# Allegro board RK_NVR_DEMO1_RK3588_LP4XD200P232SD8_V21_20211228_final_lint.brd (continued)
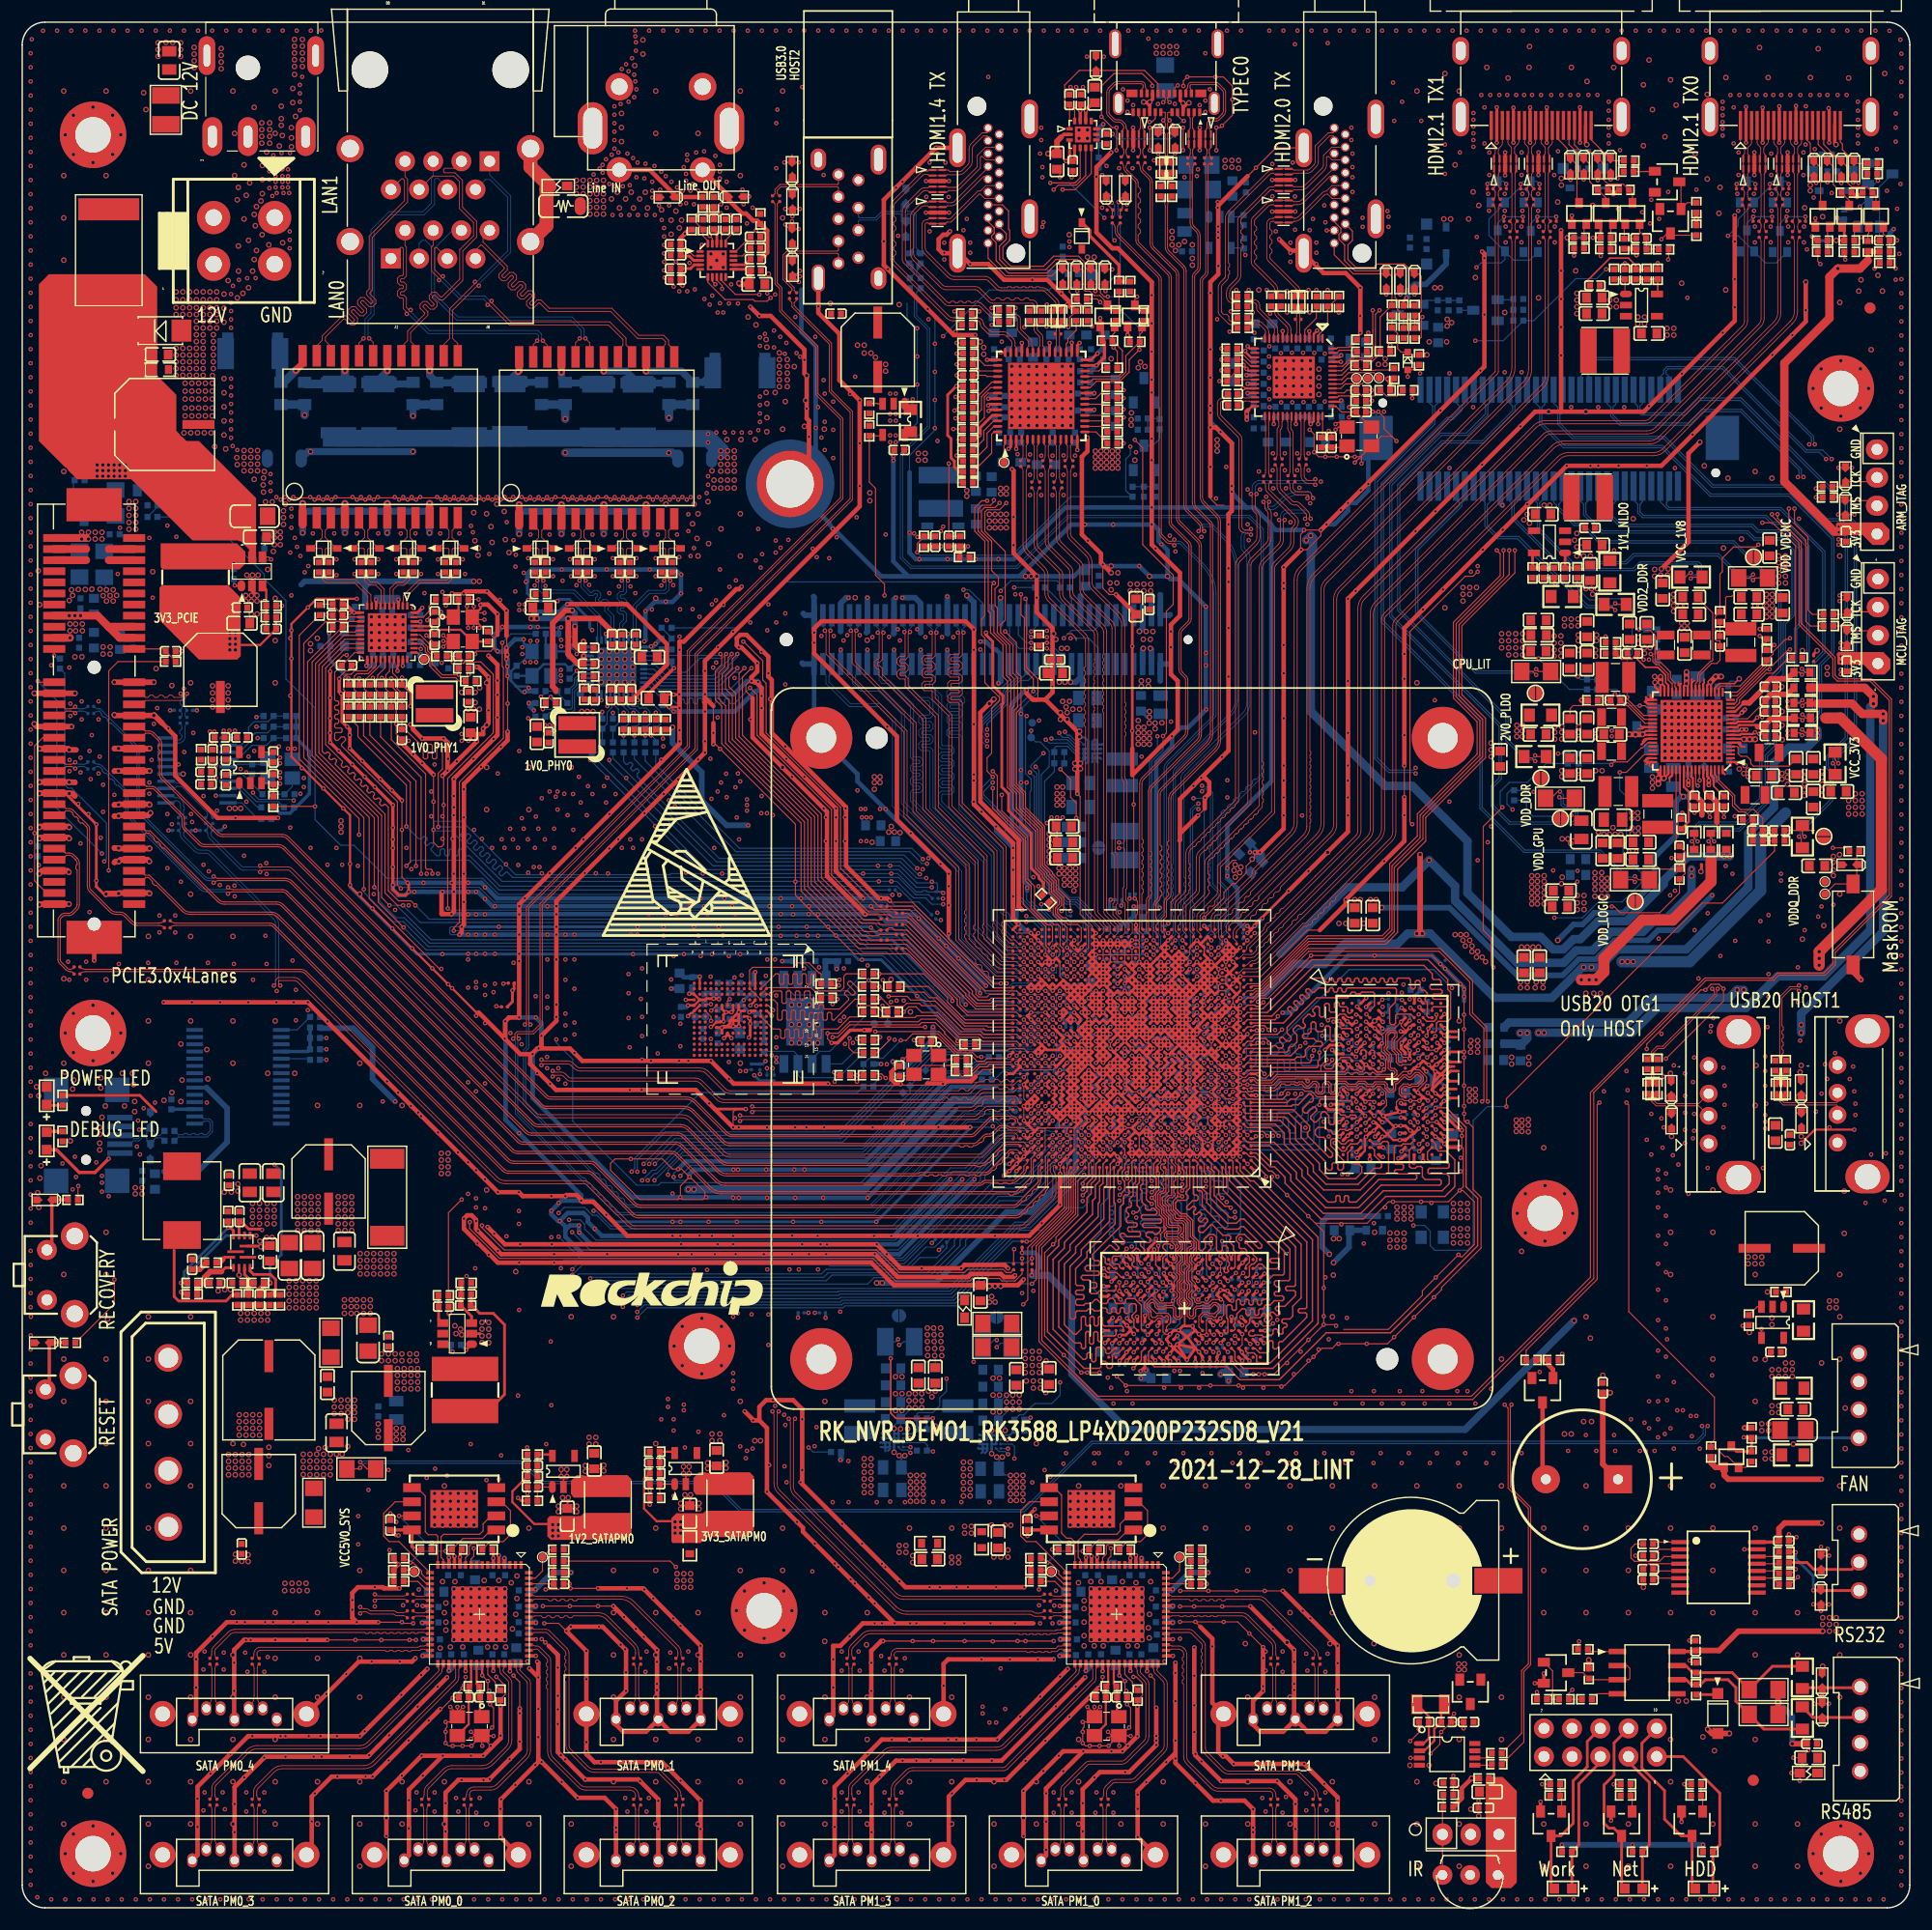
[diagram p0: board, top side]
## Routing (per net, layer and track width the routed paths; a pad name or vN(x,y) marks a point on that pad's centre or on a via; arc(x,y) is an arc through that point) (continued)
  BOTTOM w0.254: 105.48,81.96 105.79,81.96 v1(105.85,82.01) ; 105.48,80.71 105.85,80.71 v1(105.85,80.71) 106.09,80.46 106.24,80.46 ; v1(105.85,81.36) 105.83,81.34 105.48,81.34 ; C1709.1 106,79.9 v1(105.85,80.06)
  BOTTOM w0.762: v2(160.3,78.88) v2(160.3,79.6) 160.3,80.61 167.67,87.99 v2(167.67,107.02) v2(167.67,107.63)
VDDA0V75_IMAGE_P: length 39.9
  TOP w0.102: v1(160.4,108.86) 160.16,108.62 R2142.1
  TOP w0.152: 156.97,107.94 v1(156.32,107.29) 156.2,107.17
  TOP w0.203: 156.2,107.17 155.96,106.93 154.59,106.93 154.44,106.78 U2100.11
  BOTTOM w0.102: v1(160.4,108.86) 160.3,108.75 159.99,108.75 159.89,108.86 159.89,115.26 160.4,115.77 160.4,122.47 158.67,124.2 156.44,124.2 155.93,124.71 144.04,124.71 143.33,125.42 143.33,126.53 143.59,126.79 J9800.16
  vias: v1(156.77,107.32) v1(159.05,108.75) v1(159.05,108.25)
VDDA_0V75: length 414.5
  TOP w0.102: v1(160.37,106.21) 160.68,105.91 R2144.2
  TOP w0.254: U1000.H24 95.77,71.29 v1(96.1,70.96) U1000.G24 95.77,70.64 v1(95.45,70.31) ; U1000.AH10 v1(105.2,84.61) ; U1000.AA25 95.14,79.76 95.32,79.93 95.32,80.19 U1000.AB25 v1(94.8,80.71) ; U1000.AD3 109.42,81.69 v1(109.75,82.01) ; v1(98.7,83.31) U1000.AG19
  TOP w0.508: v2(125.65,87.83) v2(126.16,87.83) 125.96,88.03 v2(125.96,94.94)
  L3-POWER1 w0.508: v2(76.99,56.33) v2(77.49,56.33)
  L4-S1 w0.406: 77.95,84.73 78.31,84.37 87.86,84.37 88.69,83.53 v1(88.69,83.33)
  L4-S1 w0.508: 77.95,84.73 76.93,84.73 76.38,84.17 75.97,84.17 75.61,83.81 75.61,82.39 76.43,81.58 76.43,80.46 77.8,79.09 79.22,79.09 79.78,78.53 79.78,77.61 80.24,77.16 80.24,72.89 75.46,68.11 75.46,57.85 v2(76.99,56.33)
  L4-S1 w0.762: v2(76.99,56.33) v2(77.49,56.33) 77.49,44.75 78.2,44.04 80.64,44.04 81.25,43.43 v2(82.27,43.43) v2(82.27,42.92) ; v2(140.69,43.83) v2(141.4,43.83) 141.4,48.81 143.23,50.64 143.23,83.46 141.91,84.78 v2(141.4,84.78) v2(140.69,84.78)
  L6-S2 w0.089: 94.01,83.11 93.82,82.92 93.82,81.23 94.34,80.71 v1(94.8,80.71) 94.47,81.04 94.47,82.8 94.16,83.11 ; 105.52,84.94 v1(105.2,84.61) 105.52,84.29 105.98,84.29 106.35,84.65 106.35,84.83 106.24,84.94 105.52,84.94
  L6-S2 w0.254: 106.74,85.22 106.35,84.83 ; 94.16,83.11 93.71,83.11 93.27,83.55 88.95,83.55 88.72,83.33 v1(88.69,83.33) ; v1(98.7,83.31) 98.67,83.31 98.29,83.69 98.29,85.03 98.84,85.58 98.84,86.15 99.12,86.43
  L6-S2 w0.305: 99.12,86.43 99.12,89.52 v1(98.88,89.76) 98.52,90.11 98.52,90.57 98.83,90.87
  L6-S2 w0.406: 110.01,85.79 113.66,89.45 123.31,89.45 124.94,87.83 v2(125.65,87.83) v2(126.16,87.83)
  L6-S2 w0.508: v2(125.96,94.94) 125.75,94.94 124.13,96.56 103.21,96.56 98.83,92.18 98.83,90.87
  L6-S2 w0.762: v2(82.27,43.43) v2(82.27,42.92) 83.28,42.92 84.13,43.77 89.85,43.77 90.4,43.22 91.41,43.22 91.72,42.92 134.44,42.92 135.35,43.83 v2(140.69,43.83) v2(141.4,43.83)
  BOTTOM w0.089: 95.58,69.34 95.58,69.34 95.77,69.53 ; 95.58,69.34 95.77,69.15 ; 95.58,69.34 95.08,69.34 ; 95.77,69.53 95.77,69.8 95.45,70.12 v1(95.45,70.31) ; 95.77,69.53 95.77,69.15 ; 95.77,69.15 95.77,68.88 95.58,68.69 95,68.69 94.91,68.6
  BOTTOM w0.102: v1(160.37,106.21) 160.58,106.01 160.81,106.01 161.01,106.21 161.01,106.72 161.92,107.64 161.92,112.11 163.04,113.23 163.04,123.4 159.2,127.25 152.07,127.25 147.7,131.61 138.86,131.61 136.73,133.75 136.73,135.27 136.39,135.61 J9800.33
  BOTTOM w0.203: 128.57,85.77 128.75,85.95
  BOTTOM w0.254: 95.02,69.39 95.08,69.34 ; v1(98.7,83.31) 98.48,83.53 C1606.1 ; v1(98.88,89.76) 98.88,89.76 C1607.1 ; v1(109.75,82.01) 109.77,82.03 C1504.1 110.18,82.06 110.82,82.06 ; v1(105.2,84.61) 105.06,84.47 C1412.1 ; 95.08,80.43 95.08,80.43 v1(94.8,80.71) 94.74,80.66 C1600.1
  BOTTOM w0.305: 95.02,69.28 95.02,69.39 94.99,69.42 C1813.1 95.41,70.27 v1(95.45,70.31) 95.45,70.59 95.82,70.96 v1(96.1,70.96) ; 95.02,69.28 94.97,69.23 94.97,68.84 94.91,68.78 C1805.1 ; 95.02,69.28 95.08,69.34 ; 111.83,82.34 111.33,82.34 111.04,82.06 110.82,82.06
  BOTTOM w0.508: C1805.1 94.91,66.76 90.88,62.73 88.7,62.73 82.29,56.33 v2(77.49,56.33) v2(76.99,56.33)
  BOTTOM w0.762: v2(161.75,106.16) v2(161.75,105.66) 161.75,105.53 160.81,104.59 159.18,104.59 157.83,103.24 157.83,99.18 155.52,96.87 155.52,91.99 149.93,86.4 143.74,86.4 142.11,84.78 v2(141.4,84.78) v2(140.69,84.78) 140.57,84.78 137.82,82.03 132.66,82.03 126.87,87.83 v2(126.16,87.83) v2(125.65,87.83) 124.84,87.83 123.92,86.91 119.17,86.91 117.35,85.08 114.58,85.08 111.83,82.34
VDDA_0V75_P: length 56.5
  TOP w0.102: R2144.1 160.17,105.91 v1(160.37,105.71)
  TOP w0.152: C2172.1 156.86,105.83 v1(156.51,105.83) 156.49,105.81
  TOP w0.203: 155.95,105.83 155.93,105.81 154.86,105.81 154.79,105.73 U2100.8
  BOTTOM w0.102: v1(160.37,105.71) 160.81,105.71 161.21,106.11 161.21,106.62 162.13,107.54 162.13,112.01 163.24,113.12 163.24,123.49 159.28,127.45 152.15,127.45 147.78,131.82 138.96,131.82 136.93,133.85 136.93,135.27 137.19,135.53 J9800.31
  vias: v1(156.13,105.96) v1(159.05,106.09) v1(159.05,105.69)
VDDA_0V75_PMU: length 130
  TOP w0.102: v1(160.36,111.68) 160.66,111.37 R2139.2
  TOP w0.254: U1000.V20 v1(98.7,78.11) ; U1000.P27 v1(93.5,74.86)
  L6-S2 w0.089: v1(98.7,78.11) 98.51,78.11 98.18,77.79 97.78,77.79 97.08,77.08 96.18,77.08 94.93,75.84 94.66,75.84 93.69,74.86 v1(93.5,74.86) 93.82,74.54 94.28,74.54 94.47,74.73 94.47,75 94.66,75.19 94.93,75.19 95.12,75.38 95.12,75.65 96.05,76.57 97.62,76.57 98.37,77.33 98.37,77.79 v1(98.7,78.11) ; v1(98.7,78.11) 98.7,78.32
  L6-S2 w0.762: 96.59,89.04 96.59,91.28 102.69,97.38 124.53,97.38 125.14,96.77 125.75,96.77 129.61,92.91 131.95,92.91 135.61,89.25 136.52,89.25 137.64,88.13 139.06,88.13 139.77,87.42 141.58,87.42 143.71,85.29 v2(144.14,85.29)
  L6-S2 w1.016: v2(145.16,85.29) v2(144.65,85.29) v2(144.14,85.29)
  BOTTOM w0.102: v1(160.36,111.68) 160.43,111.6 160.7,111.6 160.81,111.7 160.81,122.67 158.77,124.71 157.67,124.71 157.06,125.32 145.99,125.32 145.57,125.74 145.57,126.53 145.19,126.91 J9800.12
  BOTTOM w0.254: C1110.1 93.04,75.63 93.04,75.44 C1111.1 92.99,75.37 v1(93.5,74.86) ; C1106.1 98.93,78.34 v1(98.7,78.11)
  BOTTOM w1.016: 158.87,98.7 156.64,96.46 156.64,91.69 150.24,85.29 v2(145.16,85.29) v2(144.65,85.29) v2(144.14,85.29)
  vias: v2(162.63,111.8) v2(162.63,111.19)
VDDA_0V75_PMU_P: length 39.1
  TOP w0.102: v1(160.36,111.17) 160.16,111.37 R2139.1
  TOP w0.203: U2100.14 154.36,107.83 155.14,108.62
  TOP w0.508: R2139.1 159.05,110.79 157.53,110.79 157.07,110.32 C2164.1 155.61,108.62 155.14,108.62
  BOTTOM w0.102: J9800.10 145.99,126.76 145.77,126.53 145.77,125.82 146.07,125.52 157.15,125.52 157.76,124.91 158.87,124.91 161.01,122.78 161.01,111.6 160.81,111.4 160.59,111.4 v1(160.36,111.17)
VDDA_0V85: length 326.2
  TOP w0.102: v1(160.4,107.56) 160.7,107.26 R2143.2
  TOP w0.254: U1000.AJ13 v1(102.6,85.26) U1000.AJ14 102.27,84.94 v1(102.6,84.61) ; U1000.AJ13 v1(103.25,85.26) ; U1000.AJ13 v1(102.6,84.61) ; U1000.AJ13 102.92,84.94 v1(103.25,84.61) U1000.AH13 v1(102.6,84.61) ; v1(102.6,84.61) U1000.AH14 ; v1(92.85,74.21) U1000.M28 93.17,73.89 v1(92.85,73.56) U1000.L28 92.85,72.91 U1000.K28 v1(92.85,72.26)
  TOP w1.016: 162.51,107.26 163.83,107.26 167.51,103.57 167.51,91.79 v2(161.91,86.19) v2(161.91,85.58) v2(161.91,84.97)
  L4-S1 w0.762: v2(142.21,82.44) v2(141.6,82.44) v2(140.89,82.44) 140.89,80.71 141.4,80.21 141.4,71.98 142.21,71.16 142.21,50.94 140.38,49.12 140.38,45.05 139.57,44.24 v2(139.57,42.71) v2(138.96,42.71) ; v2(66.52,42.11) v2(66.01,42.11) 66.01,42.92 66.55,43.45 66.55,53.69 60.02,60.22 v2(60.02,64.76) v2(60.53,64.76)
  L6-S2 w0.254: 102.67,85.26 103.5,86.1 ; 102.67,85.26 v1(102.6,85.26) v1(102.6,84.61) v1(103.25,84.61) ; 102.67,85.26 v1(103.25,85.26)
  L6-S2 w0.508: 111.73,91.38 107.26,91.38 104.72,88.84
  L6-S2 w0.762: v2(139.57,42.71) v2(138.96,42.71) 135.81,42.71 134.8,41.7 93.14,41.7 91.21,39.77 88.8,39.77 88.59,39.57 87.2,39.57 85.8,40.96 82.95,40.96 81.74,39.74 78.33,39.74 76.88,41.19 73.33,41.19 72.72,40.58 69.06,40.58 67.54,42.11 v2(66.52,42.11) v2(66.01,42.11)
  L6-S2 w1.016: v2(161.91,86.19) v2(161.91,85.58) v2(161.91,84.97) 161.72,84.78 161.72,81.83 160.7,80.81 156.94,80.81 156.44,81.32 143.63,81.32 142.52,82.44 v2(142.21,82.44) v2(141.6,82.44) v2(140.89,82.44) 140.28,82.44 139.47,81.63 134.9,81.63 133.88,82.64 133.88,84.78 133.07,85.59 133.07,86 130.33,88.74 125.45,88.74 122.4,91.79 115.49,91.79 114.68,92.6 112.95,92.6 111.73,91.38
  BOTTOM w0.102: v1(160.4,107.56) 160.53,107.43 160.75,107.43 161.31,108 161.31,112.31 162.23,113.23 162.23,122.18 158.38,126.03 148.31,126.03 147.6,126.74 147.6,128.15 J9800.6
  BOTTOM w0.254: v1(92.85,72.26) 92.85,72.19 92.58,71.92 ; v1(103.25,84.61) 103.26,84.61 103.63,84.98 103.35,85.26 v1(103.25,85.26) 103.59,85.6 103.63,85.6 ; 102.22,85.5 102.36,85.5 v1(102.6,85.26) 102.24,84.9 102.22,84.9 102.52,84.61 v1(102.6,84.61)
  BOTTOM w0.508: 89.89,72.8 89.83,72.74
  BOTTOM w0.762: C1801.1 89.43,72.8 83.91,72.8 75.87,64.76 v2(60.53,64.76) v2(60.02,64.76)
VDDA_0V85_P: length 41.1
  TOP w0.102: v1(160.4,107.05) 160.2,107.26 R2143.1
  TOP w0.152: 156.36,106.47 156.23,106.6
  TOP w0.203: U2100.10 154.52,106.43 154.71,106.62 156.2,106.62 156.23,106.6
  TOP w0.508: 156.36,106.47 156.99,106.47 C2170.1 157.07,106.7 157.57,107.21 159.62,107.21
  BOTTOM w0.102: v1(160.4,107.05) 160.58,107.23 160.86,107.23 161.52,107.89 161.52,112.21 162.43,113.12 162.43,122.27 158.47,126.23 148.39,126.23 148.16,126.47 148.16,126.69 148.39,126.92 J9800.4
VDDA_DDR_PLL: length 103.7
  TOP w0.254: v1(103.9,74.21) 103.9,74.21 U1000.N12 ; U1000.L15 v1(101.3,72.91)
  TOP w0.762: R2141.2 166.02,109.97 v2(166.8,109.2) v2(166.8,108.53)
  L6-S2 w0.089: 102.18,73.09 102.33,73.24 102.73,73.24 102.79,73.3 102.99,73.3 ; 109.5,81.73 109.57,81.73 109.61,81.69 109.88,81.69 109.92,81.73 110.01,81.73 110.11,81.83 ; 106.96,79.6 106.86,79.7 106.86,79.89 106.82,79.93 106.82,80.2 106.86,80.23 106.86,80.31 106.96,80.41 ; 105.53,73.91 105.53,74.07 105.52,74.08 105.52,74.35 105.53,74.36 105.53,75.84 105.74,76.04 ; 108.07,78.27 108.07,78.58 108.12,78.63 108.12,78.9 108.07,78.94 108.07,79.23 108.12,79.28 108.12,79.55 108.07,79.59 108.07,79.6 107.97,79.7
  L6-S2 w0.254: 101.57,72.79 101.45,72.91 v1(101.3,72.91)
  L6-S2 w0.508: 110.21,82.75 111.02,82.75 114.78,86.5 122.4,86.5 123.21,85.69 127.96,85.69 130.61,83.04 130.61,80.95 133.49,78.07 136.01,78.07 136.62,78.68 v2(136.62,78.88) v2(137.13,78.88)
  BOTTOM w0.254: C1215.1 101.04,73.17 v1(101.3,72.91) ; C1218.1 103.67,74.43 v1(103.9,74.21)
  BOTTOM w0.762: v2(136.62,78.88) v2(137.13,78.88) 145.06,78.88 147.29,81.12 155.32,81.12 158.16,83.96 162.33,83.96 166.52,88.15 166.52,108.25 v2(166.8,108.53) v2(166.8,109.2)
VDDA_DDR_PLL_P: length 7
  TOP w0.102: C2168.1 157.02,108.75 155.45,107.18 154.41,107.18 154.36,107.13 U2100.12
  TOP w0.508: C2168.1 157.07,108.93 157.46,109.32 157.48,109.32 157.54,109.39 159.05,109.39 R2141.1
VDDQ_DDR: length 189.7
  TOP w0.102: v1(160.09,96.56) 160.3,96.36 160.3,95.66 R2121.1 ; R2123.2 C2131.2 C2137.1 ; R2123.2 R2125.1 C2137.1 ; R2123.2 157.89,95.27 153.19,90.57 151.36,90.57 133.73,72.94 v1(133.73,72.23) ; U2100.67 152.87,101.67 153.51,101.03 153.53,101.03 154.3,100.26 154.3,99.52 154.82,99 156.03,99 156.84,98.2 C2137.1
  TOP w0.254: v1(105.2,73.56) 104.87,73.89 U1000.M10 v1(105.2,74.21) U1000.N10 104.87,74.54 v1(105.2,74.86) U1000.P10 104.87,75.19 v1(105.2,75.51) U1000.R10 104.87,75.84 v1(105.2,76.16) U1000.T10 ; U1000.K14 101.95,72.26 U1000.K15 101.95,72.91 U1000.K14 ; U1000.K14 102.27,72.59 v1(102.6,72.26) U1000.K13 102.92,72.59 v1(103.25,72.26) U1000.K12 103.57,72.59 v1(103.9,72.26) U1000.K11 104.22,72.59 v1(104.55,72.26)
  L3-POWER1 w0.089: 108.89,75.84 111.54,75.84
  L3-POWER1 w0.102: v1(125.35,61.51) 125.65,61.82 125.65,63.64 125.19,64.1 122.25,64.1 116.51,69.84 116.51,74.62 115.29,75.84 111.54,75.84
  BOTTOM w0.089: v1(102.6,72.26) 102.6,72.07 102.02,71.49 101.65,71.49 101.44,71.29 101.16,71.29 100.97,71.1 100.97,70.83 100.78,70.64 100.51,70.64 100.3,70.42 R1203.2
  BOTTOM w0.102: v1(160.09,96.56) 160.2,96.66 160.2,97.17 162.94,99.92 162.94,102.35 162.53,102.76 162.53,103.78 164.26,105.5 164.26,124.5 163.75,125.01 162.53,125.01 159.48,128.06 152.27,128.06 147.9,132.43 139.67,132.43 138.35,133.75 138.35,135.27 137.99,135.63 J9800.29 ; v1(125.35,61.51) 126.36,61.51 126.87,61 126.87,59.68 127.28,59.28 130.22,59.28 130.73,59.78 130.73,70.96 132,72.23 v1(133.73,72.23)
  BOTTOM w0.203: 106.19,71.24 106.22,71.21 106.8,71.21 106.83,71.23 106.83,71.23 107.46,71.23 107.47,71.23
  BOTTOM w0.254: 105.2,74.9 105.56,75.26 105.45,75.26 v1(105.2,75.51) ; 105.2,74.9 v1(105.2,75.51) ; 105.2,74.9 v1(105.2,74.86) v1(105.2,74.21) 105.2,73.94 ; 105.2,73.94 v1(105.2,73.56) 105.29,73.47 C1207.1 ; 105.2,73.94 C1207.1 ; C1207.1 105.56,73.37 105.56,72.53 105.55,72.52 105.55,71.93 ; v1(102.6,72.26) 102.65,72.26 103.02,71.89 103.02,72.03 v1(103.25,72.26) 103.62,71.89 103.63,71.89 103.63,71.99 v1(103.9,72.26) 104.24,71.92 ; v1(105.2,75.51) 105.55,75.86 ; 105.55,75.86 105.56,75.86 105.56,75.92 105.89,76.24 ; 105.55,75.86 105.49,75.86 v1(105.2,76.16) 105.28,76.24 105.89,76.24 ; 106.19,71.24 105.61,71.24 105.59,71.26 105.59,71.89 105.55,71.93 ; 104.24,71.92 104.24,71.95 v1(104.55,72.26) 104.87,71.94 104.87,71.89 105.51,71.89 105.55,71.93 ; 104.24,71.92 104.24,71.89 ; 107.13,77.61 107.13,77.29 C1200.1 106.55,76.7 106.35,76.7 105.89,76.24
  vias: v2(123.24,60.83) v2(123.24,60.19) v2(123.24,59.56) v2(123.87,60.83) v2(123.87,60.19) v2(123.87,59.56) v2(124.51,60.83) v2(124.51,60.19) v2(124.51,59.56) v2(134.62,71.01) v2(134.62,70.5) v2(134.62,69.99) v2(135.13,71.01) v2(135.13,70.5) v2(135.13,69.99) v2(135.71,71.06) v2(135.71,70.55) v2(135.71,69.94)
VDDQ_DDR_CK: length 30.3
  TOP w0.254: U1000.L10 v1(104.55,72.91) ; v1(102.6,73.56) U1000.M13
  L3-POWER1 w0.508: v2(118.16,58.16) 115.11,58.16 112.32,60.95 105.64,60.95 104.57,62.02 101.88,62.02 100.15,63.75 100.15,66.69
  BOTTOM w0.254: C1206.1 104.85,72.61 v1(104.55,72.91) ; C1213.1 102.35,73.81 v1(102.6,73.56)
  BOTTOM w0.508: R1204.1 C1232.1 119.56,61.01 119.56,59.56 v2(118.16,58.16)
VDDQ_DDR_P: length 67.7
  TOP w0.102: v1(160.6,96.56) 160.4,96.77 R2121.2 ; 161.49,97.12 C2131.1 R2123.1
  BOTTOM w0.102: v1(160.6,96.56) 160.4,96.77 160.4,97.07 163.14,99.81 163.14,102.46 162.74,102.86 162.74,103.69 164.46,105.42 164.46,124.59 163.84,125.21 162.63,125.21 159.59,128.26 152.37,128.26 148,132.63 139.76,132.63 138.55,133.83 138.55,135.37 138.79,135.61 J9800.27
VDDQ_DRAM: length 48.6
  TOP w0.254: U3801.D5 v1(109.93,55.56) ; U3800.F10 126.54,77.97 v1(126.57,77.97) ; v1(128.18,79.28) 128.13,79.28 U3800.D12 ; U3800.D8 v1(125.01,79.98) ; v1(99.49,58.8) U3801.W1 ; U3801.D1 109.6,58.75 v1(109.9,59.05) ; U3800.U3 120.29,70.81 v1(120.27,70.81) ; U3800.B10 126.17,80.89 125.9,81.16 v1(125.9,81.19) ; U3800.AA3 120.22,68.14 v1(120.22,68.11) ; 122.22,79.59 v1(122.55,79.26) ; U3800.AA10 v1(125.87,68.19) ; v1(100.87,57.15) 101.15,56.86 U3801.U3 ; U3801.W8 v1(99.55,53.14) ; U3801.B8 v1(111.23,52.51) ; U3800.W8 124.18,69.84 v1(124.13,69.79) ; U3801.W5 v1(99.48,55.61) ; U3801.D12 v1(109.93,49.31) ; U3801.D8 v1(109.93,52.51) ; U3801.W12 v1(99.53,49.31) ; v1(126.52,71.44) U3800.U10 ; U3801.AA3 98.17,56.45 v1(98.15,56.45) ; 122.22,68.54 v1(122.63,68.54) ; U3800.W12 v1(128.15,69.51) ; U3801.AA8 v1(98.89,53.17) ; U3800.AA8 v1(124.27,68.18) ; U3800.B3 v1(120.28,81.23) ; v1(120.26,77.93) U3800.F3 ; U3801.B3 v1(111.2,57.13) ; U3801.AA10 v1(98.2,50.89) ; U3801.AA5 v1(98.96,54.83) ; 122.22,69.84 v1(121.9,69.51) ; U3800.B8 124.55,80.89 124.31,81.12 v1(124.28,81.12) ; U3800.D1 v1(118.67,79.94) ; 122.22,80.89 v1(122.6,80.51) ; v1(108.63,56.51) U3801.F3 ; U3801.B5 v1(111.23,55.56) ; U3801.F10 v1(107.99,50.93) ; v1(111.3,50.86) 111.28,50.86 U3801.B10 ; U3800.W1 v1(118.7,69.51) ; v1(100.89,50.92) 101.15,51.19 U3801.U10
  BOTTOM w0.254: C3883.1 110.41,49.8 v1(109.93,49.31) ; v1(120.22,68.11) 120.14,68.19 C3837.1 ; C3836.1 124.15,69.81 v1(124.13,69.79) ; C3833.1 124.37,68.29 v1(124.27,68.18) ; v1(118.67,79.94) 118.8,79.81 C3832.1 ; v1(120.27,70.81) 119.81,70.35 C3839.1 ; 123.87,80.79 R3810.1 ; 123.87,80.79 C3841.1 ; 123.87,80.79 123.9,80.79 124.23,81.12 v1(124.28,81.12) ; R3818.1 C3873.1 110.99,55.32 v1(111.23,55.56) ; C3826.1 122.79,68.38 v1(122.63,68.54) 122.26,68.91 C3828.1 ; C3870.1 98.23,50.42 98.23,50.86 v1(98.2,50.89) ; v1(108.63,56.51) 108.76,56.63 C3878.1 ; C3835.1 125.04,80.36 125.04,80 v1(125.01,79.98) ; C3875.1 108.15,50.77 v1(107.99,50.93) ; C3886.1 98.37,55.09 98.7,55.09 v1(98.96,54.83) 99.68,54.11 C3871.1 99.68,53.27 v1(99.55,53.14) 99.87,52.82 C3885.1 ; C3881.1 99.36,49.14 v1(99.53,49.31) ; v1(111.3,50.86) 111.21,50.96 C3882.1 ; v1(100.89,50.92) 100.96,50.99 100.96,51.33 C3879.1 ; v1(125.9,81.19) 125.9,81.16 126.29,80.77 C3827.1 ; C3831.1 125.27,68.5 125.45,68.32 125.75,68.32 v1(125.87,68.19) ; v1(118.7,69.51) 118.28,69.93 C3840.1 ; v1(98.89,53.17) 98.98,53.08 C3877.1 ; v1(128.15,69.51) 127.4,68.77 C3825.1 ; C3884.1 110.31,59.07 109.92,59.07 v1(109.9,59.05) ; C3874.1 99.75,55.33 99.48,55.6 v1(99.48,55.61) ; C3834.1 126.84,71.75 v1(126.52,71.44) ; v1(109.93,52.51) 109.43,52.51 109.4,52.55 C3880.1 ; C3869.1 110.73,53.01 v1(111.23,52.51) 111.41,52.7 R3819.1 ; v1(120.28,81.23) 120.44,81.4 C3829.1 ; v1(99.49,58.8) 99.38,58.69 99.01,58.69 C3876.1 ; C3830.1 128.14,79.24 v1(128.18,79.28) ; v1(122.6,80.51) 122.81,80.71 123.06,80.71 C3838.1 R3809.1 ; v1(98.15,56.45) 98.22,56.53 C3872.1 ; C3842.1 122.4,79.12 v1(122.55,79.26) 122.63,79.18 C3824.1 ; v1(111.2,57.13) 111.2,57.57 111.28,57.65 C3887.1
  vias: v2(128.95,63.49) v2(128.95,62.86) v2(128.95,62.22) v2(128.95,61.21) v2(128.95,60.57) v2(128.95,59.94) v2(129.59,63.49) v2(129.59,62.86) v2(129.59,62.22) v2(129.59,61.21) v2(129.59,60.57) v2(129.59,59.94) v2(130.22,63.49) v2(130.22,62.86) v2(130.22,62.22) v2(130.22,61.21) v2(130.22,60.57) v2(130.22,59.94)
BIG/NPU_EN: length 120.2
  L4-S1 w0.102: v1(67.64,98.49) 67.84,98.29 67.84,89.86 66.62,88.64 66.62,82.64 68.04,81.22 68.04,79.29 66.62,77.87 66.62,75.53 67.61,74.54 67.61,47.45 70.85,44.21 v1(70.85,41.5)
  L6-S2 w0.102: v1(70.85,41.5) 71.21,41.14 71.8,41.14 72.46,41.8 77.19,41.8 78.71,40.28 79.73,40.28 79.93,40.48 81.4,40.48 v1(82.07,41.14) 82.42,41.5 86.03,41.5 87.4,40.12 88.39,40.12 88.77,40.51 89.4,40.51 v1(89.4,40.5) ; v1(67.64,98.49) 67.74,98.49 69.16,99.92 77.19,99.92 80.54,103.27 89.79,103.27 91.21,104.69 92.12,104.69 92.73,105.3 v1(92.73,105.4)
  BOTTOM w0.102: U2200.A2 89.2,41.8 89.4,41.6 v1(89.4,40.5) ; R2204.2 71.26,41.09 v1(70.85,41.5) ; v1(92.73,105.4) 92.83,105.3 94.18,105.3 95.02,104.46 U2202.A2 ; U2201.A2 81.33,41.93 81.56,41.7 81.56,41.26 R2205.1 81.99,41.22 v1(82.07,41.14)
BOOT_CONFIG: length 93.6
  TOP w0.089: U1000.AM16 100.97,86.89
  TOP w0.102: R1514.1 164.32,95.55 v1(163.14,95.55) ; 100.97,86.89 v1(101.3,87.21)
  L6-S2 w0.102: v1(163.14,95.55) 161.82,94.23 158.77,94.23 156.84,92.3 149.83,92.3 145.76,96.36 144.95,96.36 144.55,96.77 144.55,97.17 143.63,98.09 137.05,98.09 131.24,103.9 131.24,106.84 129.83,108.25 122.2,108.25 120.27,106.32 102.99,106.32 v1(102.28,105.61)
  BOTTOM w0.089: 101.57,91.79 101.57,89.92 R1503.2 101.31,88.96 R1510.1 100.9,87.61 100.9,87.24 101.27,87.24 v1(101.3,87.21)
  BOTTOM w0.102: v1(102.28,105.61) 102.28,104.18 101.57,103.47 101.57,91.79
CKDN: length 2
  TOP w0.076: U5500.8 92.07,131.92 92.18,131.81 92.18,130.96 arc(92.12,130.68) R5525.2
CKDP: length 2
  TOP w0.076: U5500.9 92.57,131.92 92.46,131.81 92.46,130.96 arc(92.51,130.68) R5526.2
DDR_CH0_A0_A: length 21.4
  TOP w0.127: v1(120.17,76.71) 120.17,76.73 120.05,76.85 119.96,76.85 U3800.H2 ; U1000.T7 v1(107.15,76.16)
  BOTTOM w0.089: 110.08,75.86 110.06,75.84 107.47,75.84 v1(107.15,76.16)
  BOTTOM w0.127: v1(120.17,76.71) 120,76.89 117.36,76.89 116.89,76.42 115.9,76.42 115.75,76.57 115.75,77.21 116.76,78.22 116.76,78.99 116.51,79.24 115.96,79.24 115.84,79.13 115.84,78.59 115.73,78.48 115.58,78.48 115.46,78.59 115.46,79.13 115.35,79.24 114.98,79.24 113.71,77.97 113.08,77.97 112.57,77.46 111.05,77.46 110.67,77.08 110.67,76.45 110.08,75.86
DDR_CH0_A0_B: length 21.2
  TOP w0.127: U1000.M8 v1(106.5,74.21) ; v1(116.89,72.38) 116.89,72.76 117.02,72.89 118.41,72.89 118.54,72.76 119.68,72.76 119.82,72.62 U3800.R2
  BOTTOM w0.089: v1(106.5,74.21) 106.5,74 106.59,73.91 106.99,73.91 107.01,73.89 107.26,73.89 107.26,73.89 107.28,73.89 107.47,73.7 107.47,73.43 107.66,73.24 107.93,73.24 108.51,72.66 108.51,72.39 108.96,71.94 109.27,71.94 109.42,71.78 109.42,71.21
  BOTTOM w0.127: v1(116.89,72.38) 116.63,72.38 116.25,72 116,72 115.87,71.87 115.87,70.99 115.75,70.86 115.36,70.86 115.24,70.73 115.24,70.1 115.39,69.94 115.69,69.94 115.82,69.82 115.82,69.46 115.69,69.33 113.71,69.33 113.59,69.46 113.59,69.84 113.46,69.97 111.54,69.97 111.41,70.1 110.25,70.1 110.16,70.19 110.16,70.48 109.42,71.21
DDR_CH0_A1_A: length 20.5
  TOP w0.127: U1000.T8 v1(106.5,76.16) ; U3800.J2 119.82,76.43 119.59,76.66 118.83,76.66 118.16,75.99 118.16,75.81 117.98,75.63 117.47,75.63 117.35,75.76 117.35,75.94 117.47,76.07 117.78,76.07 118.03,76.32 v1(118.03,76.45)
  L6-S2 w0.089: v1(106.5,76.16) 106.67,76.16 107,76.49 108.08,76.49 109.88,76.49 109.92,76.45 109.94,76.45 110.03,76.36 110.21,76.36
  L6-S2 w0.127: v1(118.03,76.45) 118.16,76.45 118.64,76.93 119.05,76.93 119.23,76.75 119.23,76.52 119.1,76.39 118.56,76.39 118.21,76.04 113.24,76.04 113.12,76.15 113.12,76.23 113.01,76.34 112.86,76.34 112.74,76.23 112.74,76.15 112.63,76.04 112.47,76.04 112.36,76.15 112.36,76.23 112.25,76.34 112.09,76.34 111.98,76.23 111.98,76.15 111.87,76.04 110.53,76.04 110.21,76.36
DDR_CH0_A1_B: length 20.6
  TOP w0.127: v1(120.21,72.67) 120.21,72.89 120.08,73.02 119.89,73.02 U3800.P2 ; U1000.M5 v1(107.8,73.56)
  BOTTOM w0.089: 109.95,72.59 108.88,72.59 107.9,73.56 v1(107.8,73.56)
  BOTTOM w0.127: 109.95,72.59 110.22,72.32 110.22,70.92 110.67,70.48 113.49,70.48 113.6,70.59 113.6,71.13 113.71,71.24 113.97,71.24 114.09,71.11 114.09,69.97 114.22,69.84 114.6,69.84 114.73,69.97 114.73,71.24 114.86,71.37 115.24,71.37 115.36,71.49 115.36,72.13 116.2,72.97 118.29,72.97 118.62,72.64 119.63,72.64 119.76,72.76 119.76,72.89 119.88,73.02 120.06,73.02 120.19,72.89 120.19,72.68 v1(120.21,72.67)
DDR_CH0_A2_A: length 19.6
  TOP w0.127: U3800.H9 125.45,76.99 v1(125.77,77.31) ; U1000.P4 108.77,75.19 v1(109.1,74.86)
  L6-S2 w0.089: 110.51,75.19 109.42,75.19 v1(109.1,74.86)
  L6-S2 w0.127: 110.51,75.19 111.29,74.41 113.21,74.41 113.69,74.9 118.54,74.9 118.62,74.82 123.26,74.82 124.38,75.94 124.38,76.45 124.86,76.93 125.39,76.93 v1(125.77,77.31)
DDR_CH0_A2_B: length 19.8
  TOP w0.127: U3800.R9 v1(125.1,72.11) ; U1000.N5 v1(108.45,74.21)
  L6-S2 w0.089: 109.48,73.69 109.29,73.89 108.77,73.89 v1(108.45,74.21)
  L6-S2 w0.127: v1(125.1,72.11) 125.1,71.57 125.01,71.48 124.77,71.48 124.64,71.62 124.64,72 124.51,72.13 123.87,72.13 123.49,71.75 118.79,71.75 118.54,72 111.17,72 109.48,73.69
DDR_CH0_A3_A: length 20
  TOP w0.127: U1000.P5 v1(108.45,74.86) ; U3800.H10 v1(125.82,76.58)
  L6-S2 w0.089: v1(108.45,74.86) 108.77,74.54 108.96,74.54 108.96,74.54 109.23,74.54 109.24,74.54 109.61,74.54 109.61,74.54 109.88,74.54 109.89,74.54 110.61,74.54
  L6-S2 w0.127: v1(125.82,76.58) 124.92,75.68 124.76,75.68 123.49,74.41 117.65,74.41 117.37,74.13 113.56,74.13 113.21,73.78 111.38,73.78 110.61,74.54
DDR_CH0_A3_B: length 20.1
  TOP w0.127: v1(109.1,74.21) 108.77,74.54 U1000.N4 ; U3800.R10 125.88,72.1 v1(125.85,72.1)
  L6-S2 w0.089: 109.61,73.89 109.29,74.21 v1(109.1,74.21)
  L6-S2 w0.127: 109.61,73.89 110.71,72.79 111.59,72.79 111.69,72.89 118.03,72.89 118.41,72.51 119.43,72.51 119.93,73.01 121.94,73.01 122.17,72.78 122.17,72.59 122.5,72.26 123.24,72.26 124.08,73.09 125.23,73.09 125.41,72.92 125.43,72.89 125.43,72.5 125.83,72.1 v1(125.85,72.1)
DDR_CH0_A4_A: length 19.3
  TOP w0.127: v1(126.59,76.65) 126.92,76.99 U3800.H11 ; v1(116.89,77.11) 116.89,76.45 116.76,76.32 116.76,75.86 116.63,75.73 112.55,75.73 112.44,75.84 110.72,75.84 U1000.R1
  BOTTOM w0.127: v1(126.59,76.65) 126.31,76.93 122.88,76.93 122.73,77.08 121.26,77.08 120.76,77.58 120.1,77.58 119.91,77.77 119.91,78.12 119.73,78.3 119.25,78.3 119.2,78.25 117.68,78.25 116.89,77.46 v1(116.89,77.11)
DDR_CH0_A4_B: length 18
  TOP w0.127: U3800.R11 v1(127.36,72.78) ; U1000.K1 113.97,72.59 114.27,72.89 114.75,72.89 115.23,73.37 v1(115.26,73.37)
  L6-S2 w0.127: v1(115.26,73.37) 118.23,73.37 118.6,73.74 122.77,73.74 122.98,73.53 125.23,73.53 125.63,73.12 127.02,73.12 v1(127.36,72.78)
DDR_CH0_A5_A: length 20
  TOP w0.127: U3800.J11 v1(127.35,76.66) ; v1(111.94,75.18) 111.61,75.5 110.39,75.5 110.07,75.19 U1000.P2
  L6-S2 w0.127: v1(127.35,76.66) 126.95,77.06 126.46,77.06 126.12,77.4 126.12,77.46 125.91,77.66 125.7,77.66 125.7,77.67 124.91,77.67 123.72,76.47 123.72,76.11 122.84,75.23 119.1,75.23 119.05,75.28 113.31,75.28 112.89,74.86 112.25,74.86 v1(111.94,75.18)
DDR_CH0_A5_B: length 18
  TOP w0.127: v1(114.07,73.39) 113.56,72.89 110.92,72.89 110.89,72.91 110.4,72.91 U1000.L2 ; U3800.P11 v1(126.65,73.46)
  L6-S2 w0.127: v1(114.07,73.39) 114.42,73.75 117.63,73.75 117.9,74.03 125.91,74.03 126.48,73.46 v1(126.65,73.46)
